# Altium PCB CB3-ECB_PCB.PcbDoc (part 3 of 4) (continued)
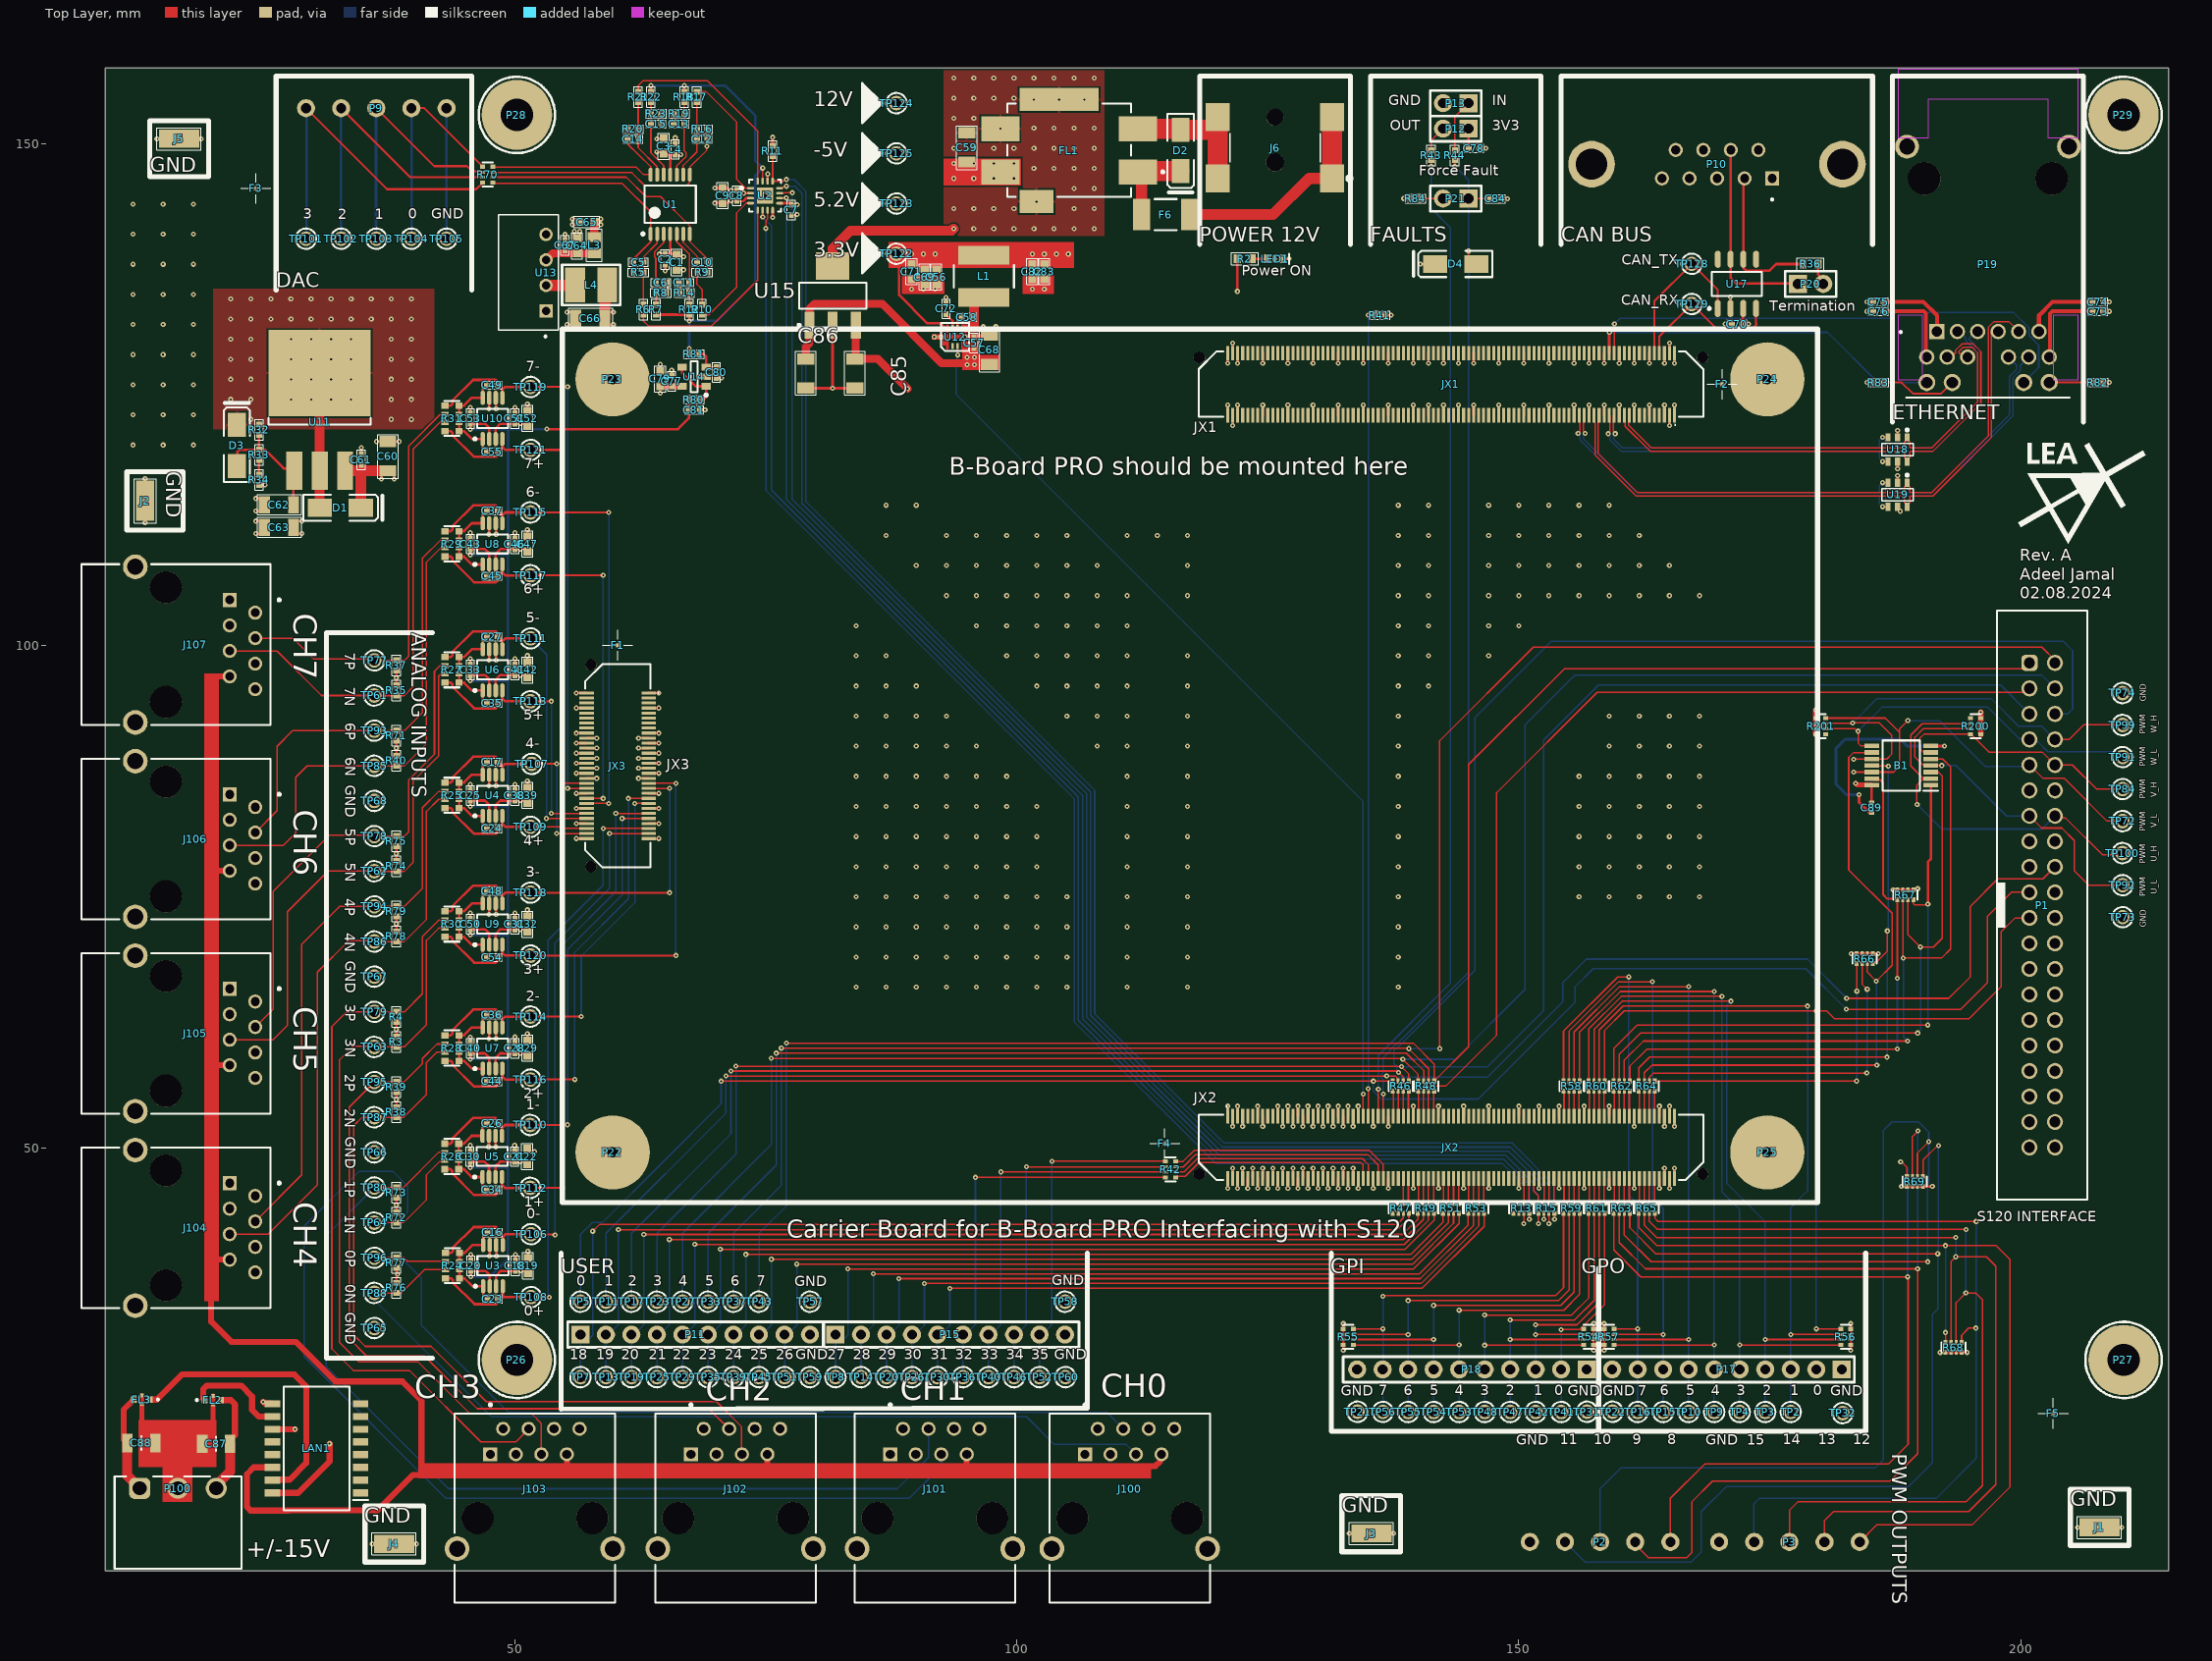
[diagram p0: Top Layer view]
## Nets (pads, with @x,y where several pads share a name; then routed paths per layer and width w, separated by ;. In a path a pad name is that pad's centre, name@x,y a point inside that pad or via, vN(x,y) a via of type N, cw(c..) or ccw(c..) an arc to the next point about the centre after c; other vN are vias at no path point) (continued)
  other v2: 48.202,39.216 48.129,50.094 48.154,60.889 48.154,73.233 48.154,86.06 48.154,98.557 48.154,111.104 122.005,123.972 132.005,123.972 145.505,123.972 155.505,123.972 165.505,123.972 122.005,128.138 132.005,128.138 145.505,128.138 155.505,128.138 165.505,128.138
  other v4: 74.947,144.834
GPI0: JX2.105 R61.5 | length 2.5
  Top Layer w0.152: R61.5@158.505,44.47 JX2.105@158.505,46.96
GPI1: JX2.106 R61.6 | length 2.5
  Top Layer w0.152: R61.6@158.005,44.47 JX2.106@158.005,46.96
GPI2: JX2.107 R61.7 | length 2.5
  Top Layer w0.152: R61.7@157.505,44.47 JX2.107@157.505,46.96
GPI3: JX2.108 R61.8 | length 2.5
  Top Layer w0.152: R61.8@157.005,44.47 JX2.108@157.005,46.96
GPI4: JX2.110 R59.5 | length 2.5
  Top Layer w0.152: R59.5@156.005,44.47 JX2.110@156.005,46.96
GPI5: JX2.111 R59.6 | length 2.5
  Top Layer w0.152: R59.6@155.505,44.47 JX2.111@155.505,46.96
GPI6: JX2.112 R59.7 | length 2.5
  Top Layer w0.152: R59.7@155.005,44.47 JX2.112@155.005,46.96
GPI7: JX2.113 R59.8 | length 2.5
  Top Layer w0.152: R59.8@154.505,44.47 JX2.113@154.505,46.96
GPI-0: P18.2 R54.1 R61.4 TP41.1 | length 22.7
  Top Layer w0.152: v2(154.222,31.893) 156.051,31.893 158.555,34.398 R61.4@158.555,43.47
  Bottom Layer w0.152: TP41.1@154.222,23.686 P18.2@154.222,27.931 v2(154.222,31.893) v2@154.222,31.97
GPI-1: P18.3 R54.2 R61.3 TP42.1 | length 29.6
  Top Layer w0.152: v2@151.657,32.38 v2(151.682,32.38) 155.792,32.38 158.005,34.593 R61.3@158.005,43.47 ; v2@151.683,31.41 R54.2@156.461,31.41
  Bottom Layer w0.152: TP42.1@151.682,23.686 P18.3@151.682,27.931 v2(151.682,31.411) v2(151.682,32.38)
GPI-2: P18.4 R54.3 R61.2 TP47.1 | length 34.3
  Top Layer w0.152: v2(149.142,30.903) 149.15,30.91 R54.3@156.461,30.91 ; v2(149.142,32.862) 155.568,32.862 157.505,34.8 R61.2@157.505,43.47
  Bottom Layer w0.152: TP47.1@149.142,23.686 P18.4@149.142,27.931 v2(149.142,30.903) v2@149.142,32.786
GPI-3: P18.5 R54.4 R61.1 TP48.1 | length 39
  Top Layer w0.152: v2(146.602,30.344) 146.619,30.36 R54.4@156.461,30.36 ; v2@146.628,33.345 155.272,33.345 156.955,35.028 R61.1@156.955,43.47
  Bottom Layer w0.152: TP48.1@146.602,23.686 P18.5@146.602,27.931 v2(146.602,30.344) v2(146.602,33.345)
GPI-4: P18.6 R55.1 R59.4 TP53.1 | length 41.4
  Top Layer w0.152: R55.1@133.521,30.36 144.053,30.36 v2(144.062,30.369) ; v2(144.062,33.827) 154.482,33.827 156.055,35.401 R59.4@156.055,43.47
  Bottom Layer w0.152: TP53.1@144.062,23.686 P18.6@144.062,27.931 v2(144.062,30.369) v2(144.062,33.827)
GPI-5: P18.7 R55.2 R59.3 TP54.1 | length 41
  Top Layer w0.152: R55.2@133.521,30.91 141.515,30.91 v2(141.522,30.903) ; v2(141.522,34.31) 154.187,34.31 155.505,35.628 R59.3@155.505,43.47
  Bottom Layer w0.152: TP54.1@141.522,23.686 P18.7@141.522,27.931 v2(141.522,30.903) v2(141.522,34.31)
GPI-6: P18.8 R55.3 R59.2 TP55.1 | length 40.7
  Top Layer w0.152: R55.3@133.521,31.41 v2(138.982,31.41) ; v2(138.982,34.793) 153.962,34.793 155.005,35.836 R59.2@155.005,43.47
  Bottom Layer w0.152: TP55.1@138.982,23.686 P18.8@138.982,27.931 138.982,31.425 v2(138.982,34.793)
GPI-7: P18.9 R55.4 R59.1 TP56.1 | length 40.2
  Top Layer w0.152: R55.4@133.521,31.96 136.459,31.96 v2(136.468,31.97) ; v2@136.442,35.275 152.465,35.275 153.667,35.275 154.455,36.063 R59.1@154.455,43.47
  Bottom Layer w0.152: TP56.1@136.442,23.686 136.474,23.717 136.474,27.931 136.474,31.97 v2(136.474,35.199)
GPO0: JX2.76 R60.4 | length 2.5
  Top Layer w0.152: JX2.76@158.505,53.15 R60.4@158.505,55.646
GPO1: JX2.75 R60.3 | length 2.5
  Top Layer w0.152: JX2.75@158.005,53.15 R60.3@158.005,55.646
GPO2: JX2.74 R60.2 | length 2.5
  Top Layer w0.152: JX2.74@157.505,53.15 R60.2@157.505,55.646
GPO3: JX2.73 R60.1 | length 2.5
  Top Layer w0.152: JX2.73@157.005,53.15 R60.1@157.005,55.646
GPO4: JX2.71 R58.4 | length 2.5
  Top Layer w0.152: JX2.71@156.005,53.15 R58.4@156.005,55.646
GPO5: JX2.70 R58.3 | length 2.5
  Top Layer w0.152: JX2.70@155.505,53.15 R58.3@155.505,55.646
GPO6: JX2.69 R58.2 | length 2.5
  Top Layer w0.152: JX2.69@155.005,53.15 R58.2@155.005,55.646
GPO7: JX2.68 R58.1 | length 2.5
  Top Layer w0.152: JX2.68@154.505,53.15 R58.1@154.505,55.646
GPO-1: P17.3 R56.2 R60.6 TP2.1 | length 72.9
  Top Layer w0.152: R60.6@158.005,56.646 158.005,61.727 160.404,64.126 v2(178.759,64.126) ; v2@177.083,31.41 R56.2@182.061,31.41
  Bottom Layer w0.152: TP2.1@177.078,23.689 177.078,27.931 177.078,31.411 177.078,44.031 178.759,45.711 v2(178.759,64.126)
  other v2: 177.082,31.411
GPO-2: P17.4 R56.3 R60.7 TP3.1 | length 70.1
  Top Layer w0.152: R60.7@157.505,56.646 157.505,61.802 160.312,64.609 v2(171.113,64.609) ; v2(174.538,30.91) R56.3@182.061,30.91
  Bottom Layer w0.152: v2(171.113,64.609) 170.725,64.22 170.725,46.455 174.538,42.642 v2(174.538,30.91) 174.538,27.931 TP3.1@174.538,23.689
GPO-3: P17.5 R56.4 R60.8 TP4.1 | length 72
  Top Layer w0.152: R60.8@156.955,56.646 156.955,61.827 160.22,65.091 v2(170.224,65.091) ; v2(172.002,30.369) 172.011,30.36 R56.4@182.061,30.36
  Bottom Layer w0.152: v2(170.224,65.091) 170.224,45.635 171.998,43.861 171.998,30.369 171.998,27.931 TP4.1@171.998,23.689
GPO-4: P17.6 R57.1 R58.5 TP9.1 | length 71.8
  Top Layer w0.152: R58.5@156.055,56.646 156.055,61.502 160.128,65.574 v2(169.462,65.574) ; R57.1@159.493,30.36 169.453,30.36 v2(169.462,30.369)
  Bottom Layer w0.152: TP9.1@169.458,23.689 169.458,30.369 169.458,62.352 169.458,65.57 v2(169.462,65.574)
GPO-5: P17.7 R57.2 R58.6 TP10.1 | length 68
  Top Layer w0.152: R58.6@155.505,56.646 155.505,61.526 160.036,66.056 v2(166.922,66.056) ; R57.2@159.493,30.91 166.915,30.91 v2(166.922,30.903)
  Bottom Layer w0.152: TP10.1@166.918,23.689 166.918,30.903 166.918,62.758 166.918,66.052 v2(166.922,66.056)
GPO-6: P17.8 R57.3 R58.7 TP15.1 | length 63.3
  Top Layer w0.152: R58.7@155.005,56.646 155.005,61.601 159.943,66.539 v2(163.316,66.539) ; R57.3@159.493,31.41 v2(164.382,31.411)
  Bottom Layer w0.152: v2@163.316,66.361 163.316,45.051 164.378,43.988 TP15.1@164.378,23.689
GPO-7: P17.9 R57.4 R58.8 TP16.1 | length 59.8
  Top Layer w0.152: R58.8@154.455,56.646 154.455,61.626 159.851,67.022 v2(160.953,67.022) ; R57.4@159.493,31.96 161.833,31.96 v2(161.842,31.97)
  Bottom Layer w0.152: v2(160.953,67.022) 160.953,45.279 161.838,44.394 161.838,31.97 161.838,27.931 TP16.1@161.838,23.689
MB_nFLT: C84.2 D4.A JX2.32 P21.1 R44.1 | length 103
  Top Layer w0.152: JX2.32@136.505,53.15 v2(136.505,55.345) ; v2@143.634,147.863 R44.1@143.634,148.371 ; 144.995,138.95 v1(144.995,139.325) ; P21.1@144.995,144.55 147.125,144.55 C84.2@147.15,144.525 ; D4.A@145.025,138.775 D4.A@145.775,138.025
  Bottom Layer w0.152: v2(136.505,55.345) 136.505,56.802 136.355,56.953 136.355,57.352 136.505,57.503 136.505,58.99 137.245,59.73 137.245,59.848 137.603,60.205 137.72,60.205 144.995,67.48 v1(144.995,139.325) P21.1@144.995,144.55 144.995,146.404 v2(143.634,147.765)
MB_RDY: JX2.29 R41.2 | length 80.4
  Top Layer w0.152: JX2.29@135.005,53.15 v2(135.005,55.9)
  Top Layer w0.254: v2@135.059,132.925 R41.2@135.675,132.925
  Bottom Layer w0.152: v2@135.016,55.911 v2(135.016,132.925)
NetC5_1: C5.1 R5.1 R6.1 U1.2 | length 8.5
  Top Layer w0.152: R6.1@62.837,133.982 62.837,135.167 62.837,136.183 ; 62.837,135.294 62.846,138.751 64.196,140.101 U1.2@64.196,141.026
NetC6_2: C6.2 R7.1 R8.2 U1.3 | length 7.5
  Top Layer w0.152: C6.2@64.065,136.183 64.065,138.61 63.942,138.733 63.942,139.25 64.846,140.154 U1.3@64.846,141.026 ; R7.1@64.091,133.982 R8.2@64.091,135.167 C6.2@64.091,136.183
NetC10_1: C10.1 R9.1 R10.1 U1.6 | length 7.8
  Top Layer w0.152: U1.6@66.796,141.026 66.796,140.175 68.163,138.808 C10.1@68.163,138.215 68.163,136.014 68.671,135.506 R10.1@68.671,133.982
NetC11_2: C11.2 R12.1 R14.2 U1.5 | length 7.9
  Top Layer w0.152: U1.5@66.146,141.026 66.146,140.25 67.401,138.996 C11.2@67.401,136.183 ; C11.2@67.177,136.357 67.351,136.183 C11.2@67.401,136.183 ; R12.1@67.401,133.982 R14.2@67.401,135.167 C11.2@67.401,136.183
NetC12_1: C12.1 R16.1 R17.1 U1.9 | length 8.8
  Top Layer w0.152: U1.9@66.796,146.926 66.796,147.851 68.141,149.195 68.141,152.423 68.141,152.804 ; 68.141,151.788 68.141,151.982 68.141,152.998 R17.1@68.141,154.183
NetC13_2: C13.2 R18.1 R19.2 U1.10 | length 7.7
  Top Layer w0.152: U1.10@66.146,146.926 66.146,147.796 67.05,148.7 67.05,149.135 66.897,149.289 C13.2@66.897,151.982 ; C13.2@66.887,151.982 66.887,152.423 66.887,152.55 R19.2@66.887,152.998 R18.1@66.887,154.183
NetC14_1: C14.1 R20.1 R21.1 U1.13 | length 8
  Top Layer w0.152: R21.1@62.307,154.183 C14.1@62.307,150.458 62.307,149.618 64.196,147.728 U1.13@64.196,146.926
NetC15_2: C15.2 R22.1 R23.2 U1.12 | length 7.8
  Top Layer w0.152: R22.1@63.577,154.183 R23.2@63.577,152.998 C15.2@63.577,151.982 63.577,149.098 64.846,147.829 U1.12@64.846,146.926
NetC16_1: C16.1 R24.7 R24.8 U3.8 | length 5
  Top Layer w0.254: R24.7@44.514,38.666 R24.8@44.514,39.536 45.017,39.536 45.797,40.316 U3.8@46.87,40.316 46.87,41.146 C16.1@47.297,41.573
NetC17_1: C17.1 R25.7 R25.8 U4.8 | length 5
  Top Layer w0.254: R25.7@44.466,85.51 R25.8@44.466,86.38 44.969,86.38 45.749,87.16 U4.8@46.822,87.16 46.822,87.99 C17.1@47.249,88.417
NetC23_1: C23.1 R24.5 R24.6 U3.1 | length 5
  Top Layer w0.254: R24.6@44.514,37.866 R24.5@44.514,36.996 45.017,36.996 45.797,36.216 U3.1@46.87,36.216 46.87,35.386 C23.1@47.297,34.959
NetC24_1: C24.1 R25.5 R25.6 U4.1 | length 5
  Top Layer w0.254: R25.6@44.466,84.71 R25.5@44.466,83.84 44.969,83.84 45.749,83.06 U4.1@46.822,83.06 46.822,82.23 C24.1@47.249,81.803
NetC26_1: C26.1 R26.7 R26.8 U5.8 | length 5
  Top Layer w0.254: R26.7@44.441,49.544 44.441,50.414 44.944,50.414 45.724,51.194 U5.8@46.797,51.194 46.797,52.024 C26.1@47.224,52.451
NetC27_1: C27.1 R27.7 R27.8 U6.8 | length 5
  Top Layer w0.254: R27.7@44.466,98.007 R27.8@44.466,98.877 44.969,98.877 45.749,99.657 U6.8@46.822,99.657 46.822,100.487 C27.1@47.249,100.914
NetC34_1: C34.1 R26.5 R26.6 U5.1 | length 5
  Top Layer w0.254: R26.6@44.441,48.744 44.441,47.874 44.944,47.874 45.724,47.094 U5.1@46.797,47.094 46.797,46.264 C34.1@47.224,45.837
NetC35_1: C35.1 R27.5 R27.6 U6.1 | length 5
  Top Layer w0.254: R27.6@44.466,97.207 R27.5@44.466,96.337 44.969,96.337 45.749,95.557 U6.1@46.822,95.557 46.822,94.727 C35.1@47.249,94.3
NetC36_1: C36.1 R28.7 R28.8 U7.8 | length 5
  Top Layer w0.254: R28.7@44.466,60.339 R28.8@44.466,61.209 44.969,61.209 45.749,61.989 U7.8@46.822,61.989 46.822,62.819 C36.1@47.249,63.245
NetC37_1: C37.1 R29.7 R29.8 U8.8 | length 5
  Top Layer w0.254: R29.7@44.466,110.554 R29.8@44.466,111.424 44.969,111.424 45.749,112.204 U8.8@46.822,112.204 46.822,113.035 C37.1@47.249,113.461
NetC44_1: C44.1 R28.5 R28.6 U7.1 | length 5
  Top Layer w0.254: R28.6@44.466,59.539 R28.5@44.466,58.669 44.969,58.669 45.749,57.889 U7.1@46.822,57.889 46.822,57.058 C44.1@47.249,56.632
NetC45_1: C45.1 R29.5 R29.6 U8.1 | length 5
  Top Layer w0.254: R29.6@44.466,109.754 R29.5@44.466,108.884 44.969,108.884 45.749,108.104 U8.1@46.822,108.104 46.822,107.274 C45.1@47.249,106.847
NetC48_1: C48.1 R30.7 R30.8 U9.8 | length 5
  Top Layer w0.254: R30.7@44.466,72.683 R30.8@44.466,73.553 44.969,73.553 45.749,74.333 U9.8@46.822,74.333 46.822,75.163 C48.1@47.249,75.59
NetC49_1: C49.1 R31.7 R31.8 U10.8 | length 5
  Top Layer w0.254: R31.7@44.466,123.051 R31.8@44.466,123.921 44.969,123.921 45.749,124.701 U10.8@46.822,124.701 46.822,125.531 C49.1@47.249,125.958
NetC54_1: C54.1 R30.5 R30.6 U9.1 | length 5
  Top Layer w0.254: R30.6@44.466,71.883 R30.5@44.466,71.013 44.969,71.013 45.749,70.233 U9.1@46.822,70.233 46.822,69.403 C54.1@47.249,68.976
NetC55_1: C55.1 R31.5 R31.6 U10.1 | length 5
  Top Layer w0.254: R31.6@44.466,122.251 R31.5@44.466,121.381 44.969,121.381 45.749,120.601 U10.1@46.822,120.601 46.822,119.771 C55.1@47.249,119.344
NetC58_1: C58.1 L1.1 U12.5
NetC58_2: C58.2 U12.6 | length 1.3
  Top Layer w0.25: U12.6@94.1,131.66 94.1,132.36 94.475,132.735 C58.2@94.525,132.735
NetC62_2: C62.2 D3.A R32.1 R33.2 U11.1 | length 12.9
  Top Layer w0.254: D3.A@22.35,117.925 22.375,117.95 22.375,119.275 22.625,119.525 R33.2@24.55,119.525 ; R32.1@24.55,121.025 R33.2@24.55,119.525 ; C62.2@27.975,114.05 27.975,117.38 U11.1@28.045,117.45 27.833,117.662 27.013,117.662 25.15,119.525 R33.2@24.55,119.525
NetC64_1: C64.1 C67.1 L3.1 U13.3 | length 5.1
  Top Layer w0.8: U13.3@53.124,138.434 53.79,139.1 C64.1@56.225,139.1 L3.1@57.925,139.1
NetC72_2: C72.2 U12.7 | length 1.6
  Top Layer w0.25: C72.2@92.975,133.05 92.975,133 93.6,132.375 U12.7@93.6,131.66
NetC73_2: C73.2 P19.12 | length 8.7
  Top Layer w0.4: P19.12@202.821,128.77 202.919,128.868 202.919,133.101 203.132,133.313 C73.2@207.15,133.313
NetC74_2: C74.2 P19.6 | length 7.5
  Top Layer w0.4: P19.6@201.805,131.31 201.805,132.911 203.144,134.25 C74.2@207.15,134.25
NetC75_2: C75.2 P19.1 | length 7.5
  Top Layer w0.4: C75.2@186.325,134.25 190.306,134.25 191.645,132.911 P19.1@191.645,131.31
NetC76_2: C76.2 P19.7 | length 8.7
  Top Layer w0.4: C76.2@186.325,133.313 187.663,133.313 ; 187.664,133.313 190.318,133.313 190.524,133.107 190.524,128.875 P19.7@190.629,128.77
NetC80_2: C80.2 R81.2 U14.3 | length 2.9
  Top Layer w0.254: R81.2@68.375,129.05 68.85,129.05 69.075,128.825 U14.3@69.075,127.75 C80.2@70.1,127.75
NetD2_A: D2.A FL1.3 J6.2 J6.3 | length 14.1
  Top Layer w2: FL1.3@112.075,151.5 D2.A@116.225,151.5 ; D2.A@116.325,151.4 119.675,151.4 120.025,151.05 ; J6.3@120.025,146.55 120.025,151.05 ; J6.2@120.025,152.65 120.025,151.05
NetD2_K: D2.K F6.2 FL1.1 | length 8.6
  Top Layer w1.1: FL1.1@112.075,147.2 112.435,146.84 F6.2@112.435,142.95
  Top Layer w2: FL1.1@112.075,147.2 112.14,147.265 D2.K@116.225,147.265
NetF6_1: F6.1 J6.1 | length 21.8
  Top Layer w1.1: F6.1@117.215,142.95 125.525,142.95 129.125,146.55 J6.1@131.425,146.55
  Top Layer w2: J6.1@131.425,146.55 J6.1@131.425,152.65
NetL4_2: L4.2 U13.2 | length 2.9
  Top Layer w1.1: U13.2@53.124,135.894 55.969,135.894 L4.2@56.025,135.95
NetLED1_A: LED1.A R2.1 | length 1.5
  Top Layer w0.254: R2.1@123.475,138.55 LED1.A@124.975,138.55
NetP19_14: P19.14 R83.1 | length 7.8
  Top Layer w0.2: R83.1@186.3,126.23 188.133,126.23 189.242,125.12 190.87,125.12 190.875,125.125 192.064,125.125 P19.14@193.169,126.23
NetP19_16: P19.16 R82.1 | length 4.5
  Top Layer w0.2: P19.16@202.821,126.23 R82.1@207.25,126.23
  Top Layer w0.254: P19.16@202.821,126.23 P19.16@202.846,126.205
NetP20_2: P20.2 R36.2 | length 2.2
  Top Layer w0.254: R36.2@179.805,138.025 179.805,136.995 179.85,136.95 179.85,136.943 180.325,136.468 P20.2@180.325,136.05
NetP21_2: P21.2 R84.2 | length 2.2
  Top Layer w0.152: R84.2@140.225,144.55 P21.2@142.455,144.55
NetR6_2: R6.2 U2.5 | length 21.1
  Top Layer w0.152: R6.2@62.837,132.982 62.837,132.338 63.325,131.85 69.625,131.85 74.197,136.422 U2.5@74.197,143.384
NetR10_2: R10.2 U2.4 | length 13.8
  Top Layer w0.152: R10.2@68.671,132.982 69.357,132.982 72.125,135.75 72.125,143.15 73.059,144.084 U2.4@73.497,144.084
NetR11_1: R11.1 R15.8 U2.13 | length 156.7
  Top Layer w0.152: R11.1@75.697,148.55 U2.13@75.697,146.284 76.813,146.284 76.979,146.45 v1(77.075,146.45) ; v2(153.555,42.9) R15.8@153.555,43.47
  Bottom Layer w0.152: v1(77.075,146.45) 77.819,146.45 79.014,145.255 79.014,114.361 107.769,85.606 107.769,63.351 120.638,50.482 149.314,50.482 153.523,46.273 153.523,42.932 v2(153.555,42.9)
NetR13_7: R13.7 U2.7 | length 150
  Top Layer w0.152: v1(75.025,141.575) 75.025,142.343 75.197,142.515 U2.7@75.197,143.384 ; v2(150.505,42.45) R13.7@150.505,43.47
  Bottom Layer w0.152: v1(75.025,141.575) 75.025,115.476 105.725,84.776 105.725,62.55 119.825,48.45 148.339,48.45 150.505,46.284 v2(150.505,42.45)
NetR13_8: R13.8 U2.6 | length 149.4
  Top Layer w0.152: U2.6@74.697,143.384 74.699,143.383 74.699,142.701 v1(74.7,142.7) ; v2(151.055,42.9) R13.8@151.055,43.47
  Bottom Layer w0.152: v1(74.7,142.7) 75.575,141.825 75.575,115.501 106.131,84.945 106.131,62.713 119.988,48.856 148.508,48.856 151.055,46.309 v2(151.055,42.9)
NetR15_5: R15.5 U2.10 | length 151.6
  Top Layer w0.152: U2.10@76.397,144.584 77.009,144.584 v1(77.05,144.625) ; v2(151.955,42.45) R15.5@151.955,43.47
  Bottom Layer w0.152: v1(77.05,144.625) 77.05,114.601 106.55,85.101 106.55,62.863 120.15,49.263 148.676,49.263 151.461,46.478 151.461,45.82 151.955,45.327 v2(151.955,42.45)
NetR15_6: R15.6 U2.11 | length 151.9
  Top Layer w0.152: U2.11@76.397,145.084 76.416,145.103 76.845,145.103 76.868,145.125 v1(77.65,145.125) ; v2(152.505,42.9) R15.6@152.505,43.47
  Bottom Layer w0.152: v1(77.65,145.125) 77.65,144.157 77.642,144.15 77.642,142.75 77.65,142.743 77.65,114.576 106.956,85.269 106.956,63.026 120.313,49.669 148.977,49.669 152.505,46.141 v2(152.505,42.9)
NetR15_7: R15.7 U2.12 | length 153.8
  Top Layer w0.152: U2.12@76.397,145.584 76.649,145.584 76.772,145.707 77.007,145.707 v1(77.075,145.775) ; v2(153.005,42.45) R15.7@153.005,43.47
  Bottom Layer w0.152: v1(77.075,145.775) 77.925,145.775 78.608,145.092 78.608,114.193 107.363,85.438 107.363,63.189 120.476,50.076 149.146,50.076 153.005,46.216 v2(153.005,42.45)
NetR17_2: R17.2 U2.1 | length 12.7
  Top Layer w0.152: R17.2@68.141,155.183 69.092,155.183 72.125,152.15 72.125,146.45 72.991,145.584 U2.1@73.497,145.584
NetR21_2: R21.2 U2.16 | length 19.8
  Top Layer w0.152: R21.2@62.307,155.183 62.307,155.793 62.797,156.283 69.192,156.283 74.197,151.278 U2.16@74.197,146.284
NetR33_1: R33.1 R34.2 | length 1.5
  Top Layer w0.254: R34.2@24.55,117.025 R33.1@24.55,118.525
NetR80_1: R80.1 U14.1 U14.4 | length 5.4
  Top Layer w0.254: U14.4@66.675,127.75 66.675,127.2 68.025,125.85 U14.1@69.075,125.85 69.075,124.775 68.825,124.525 R80.1@68.375,124.525
nFLT_IN: P13.1 R44.2 | length 5.2
  Top Layer w0.152: R44.2@143.634,149.371 143.634,152.689 P13.1@144.995,154.05
nFLT_OUT: P12.2 R43.2 | length 2.6
  Top Layer w0.152: R43.2@141.276,149.371 141.276,150.331 P12.2@142.455,151.51
PHY_LED0: JX1.167 P19.13 | length 35.8
  Top Layer w0.254: JX1.167@159.005,129.15 159.005,131.205 v1(159.025,131.225)
  Bottom Layer w0.152: v1(159.025,131.225) 180.75,131.225 185.77,126.205 190.604,126.205 P19.13@190.629,126.23
PHY_LED1: JX1.168 P19.15 | length 51.8
  Top Layer w0.152: JX1.168@159.505,129.15 159.525,129.17 v1(159.525,132.05)
  Bottom Layer w0.152: v1(159.525,132.05) 160.095,132.62 186.97,132.62 187.54,133.19 199.294,133.19 200.814,131.67 200.814,130.9 201.78,129.934 201.78,127.729 P19.15@200.281,126.23
PHY_MDI0_N: JX1.19 P19.10 U19.3 | length 58.8
  Top Layer w0.15: JX1.19@156.505,122.96 156.428,122.882 156.428,122.231 156.42,122.223 156.42,121.367 156.557,121.231 v1@156.557,121.15 ; v2(186.225,116.25) U19.3@186.775,116.25
  Bottom Layer w0.15: v1@156.557,121.15 156.557,121.069 156.42,120.933 156.42,120.646 161.82,115.246 185.799,115.246 185.918,115.366 185.918,115.943 v2(186.225,116.25) 186.548,115.927 186.548,115.334 186.636,115.246 191.096,115.246 198.866,123.016 198.866,126.816 199.608,127.558 199.608,127.919 P19.10@198.757,128.77
  other v1: 156.607,121.15
PHY_MDI0_P: JX1.20 P19.11 U19.4 | length 60.1
  Top Layer w0.15: v1@155.954,121.15 155.954,121.231 156.09,121.367 156.09,122.223 156.083,122.231 156.083,122.882 JX1.20@156.005,122.96 ; v2(186.225,113.85) U19.4@186.775,113.85
  Bottom Layer w0.15: v1@155.954,121.15 155.954,121.069 156.09,120.933 156.09,120.51 161.684,114.916 185.781,114.916 185.9,114.797 185.9,114.175 v2(186.225,113.85) 186.548,114.173 186.548,114.829 186.636,114.916 191.233,114.916 199.196,122.88 199.196,126.679 199.938,127.421 199.938,127.919 P19.11@200.789,128.77
  other v1: 155.904,121.15
PHY_MDI1_N: JX1.16 P19.5 U19.1 | length 62.6
  Top Layer w0.15: JX1.16@158.005,122.96 157.928,122.882 157.928,122.231 157.92,122.223 157.92,119.155 161.829,115.246 186.904,115.246 188.32,115.246 188.408,115.334 188.408,115.837 188.496,115.925 188.5,115.925 188.6,116.025 188.6,116.175 U19.1@188.675,116.25 ; U19.1@188.646,116.129 188.85,115.925 188.858,115.925 188.948,115.835 188.948,115.334 189.036,115.246 191.096,115.246 196.752,120.902 196.752,131.72 197.331,132.299 198.784,132.299 P19.5@199.773,131.31
PHY_MDI1_P: JX1.17 P19.4 U19.6 | length 60.5
  Top Layer w0.15: JX1.17@157.505,122.96 157.583,122.882 157.583,122.231 157.59,122.223 157.59,119.018 161.692,114.916 186.767,114.916 188.328,114.916 188.416,114.829 188.416,114.259 U19.6@188.675,114 ; U19.6@188.675,113.85 U19.6@188.675,114 ; P19.4@197.741,131.31 197.651,131.4 197.105,131.4 197.082,131.377 197.082,120.765 191.233,114.916 189.036,114.916 188.948,114.829 188.948,114.263 188.86,114.175 188.85,114.175 U19.6@188.675,114
PHY_MDI2_N: JX1.13 P19.2 U18.3 | length 51.1
  Top Layer w0.15: JX1.13@159.505,122.96 159.428,122.882 159.428,122.231 159.42,122.223 159.42,121.342 159.557,121.206 v1@159.557,121.125 ; v2(186.225,120.75) U18.3@186.775,120.75
  Bottom Layer w0.15: v1@159.557,121.125 159.557,121.044 159.42,120.908 159.42,120.621 160.327,119.715 185.83,119.715 185.918,119.803 185.918,120.443 v2(186.225,120.75) 186.548,120.427 186.548,119.803 186.636,119.715 191.125,119.715 195.682,124.273 195.682,129.218 194.528,130.372 194.528,130.633 193.851,131.31 P19.2@193.677,131.31
  other v1: 159.607,121.125
PHY_MDI2_P: JX1.14 P19.3 U18.4 | length 52.2
  Top Layer w0.15: v1@158.954,121.125 158.954,121.206 159.09,121.342 159.09,122.223 159.083,122.231 159.083,122.882 JX1.14@159.005,122.96 ; v2(186.225,118.35) U18.4@186.775,118.35
  Bottom Layer w0.15: v1@158.954,121.125 158.954,121.044 159.09,120.908 159.09,120.485 160.19,119.385 185.812,119.385 185.9,119.297 185.9,118.675 v2(186.225,118.35) 186.548,118.673 186.548,119.297 186.636,119.385 191.261,119.385 191.746,119.869 196.012,124.136 196.012,129.355 194.858,130.509 194.858,130.633 195.535,131.31 P19.3@195.709,131.31
  other v1: 158.904,121.125
PHY_MDI3_N: JX1.10 P19.9 U18.1 | length 48.4
  Top Layer w0.15: JX1.10@161.005,122.96 160.928,122.882 160.928,122.231 160.92,122.223 160.92,122.011 163.216,119.715 188.32,119.715 188.408,119.803 188.408,120.337 188.496,120.425 188.5,120.425 188.6,120.525 188.6,120.675 U18.1@188.675,120.75 ; U18.1@188.646,120.629 188.85,120.425 188.858,120.425 188.948,120.335 188.948,119.803 189.036,119.715 190.076,119.715 191.125,119.715 195.68,124.27 195.68,129.179 195.102,129.757 194.281,129.757 193.842,129.318 193.842,129.194 193.93,129.106 193.985,129.106 194.321,128.77 P19.9@194.693,128.77
PHY_MDI3_P: JX1.11 P19.8 U18.6 | length 50.7
  Top Layer w0.15: JX1.11@160.505,122.96 160.583,122.882 160.583,122.231 160.59,122.223 160.59,121.874 163.08,119.385 188.328,119.385 188.416,119.297 188.416,118.759 U18.6@188.675,118.5 ; P19.8@192.661,128.77 193.033,128.77 193.369,129.106 193.424,129.106 193.512,129.194 193.512,129.455 194.144,130.087 195.239,130.087 196.01,129.316 196.01,124.134 191.261,119.385 189.94,119.385 189.036,119.385 188.948,119.297 188.948,118.763 188.86,118.675 188.85,118.675 U18.6@188.675,118.5 ; U18.6@188.675,118.5 U18.6@188.675,118.35 U18.6@188.675,118.5
PRECHARGE: P1.21 R56.1 R60.5 | length 90
  Top Layer w0.152: R60.5@158.555,56.646 158.555,61.703 160.496,63.643 v2(179.622,63.643) 180.657,63.643 181.45,62.85 194.841,62.85 198.05,66.059 198.05,71.525 199.425,72.9 P1.21@200.86,72.9 ; v2(179.622,31.97) 182.052,31.97 R56.1@182.061,31.96
  Bottom Layer w0.152: v2@179.618,31.97 179.618,60.726 179.618,63.639 v2(179.622,63.643)
PWM0: JX2.78 R62.5 | length 2.5
  Top Layer w0.152: JX2.78@159.505,53.15 159.505,55.138 R62.5@159.505,55.646
PWM1: JX2.79 R62.6 | length 2.5
  Top Layer w0.152: JX2.79@160.005,53.15 160.005,55.138 R62.6@160.005,55.646
PWM2: JX2.80 R62.7 | length 2.5
  Top Layer w0.152: JX2.80@160.505,53.15 160.505,55.138 R62.7@160.505,55.646
PWM3: JX2.81 R62.8 | length 2.5
  Top Layer w0.152: JX2.81@161.005,53.15 161.005,55.138 R62.8@161.005,55.646
PWM4: JX2.83 R64.5 | length 2.5
  Top Layer w0.152: JX2.83@162.005,53.15 162.005,55.138 R64.5@162.005,55.646
PWM5: JX2.84 R64.6 | length 2.5
  Top Layer w0.152: JX2.84@162.505,53.15 162.505,55.138 R64.6@162.505,55.646
PWM6: JX2.85 R64.7 | length 2.5
  Top Layer w0.152: JX2.85@163.005,53.15 163.005,55.138 R64.7@163.005,55.646
PWM7: JX2.86 R64.8 | length 2.5
  Top Layer w0.152: JX2.86@163.505,53.15 163.505,55.138 R64.8@163.505,55.646
PWM8: JX2.103 R63.8 | length 2.5
  Top Layer w0.152: R63.8@159.505,44.47 JX2.103@159.505,46.96
PWM9: JX2.102 R63.7 | length 2.5
  Top Layer w0.152: R63.7@160.005,44.47 JX2.102@160.005,46.96
PWM10: JX2.101 R63.6 | length 2.5
  Top Layer w0.152: R63.6@160.505,44.47 JX2.101@160.505,46.96
PWM11: JX2.100 R63.5 | length 2.5
  Top Layer w0.152: R63.5@161.005,44.47 JX2.100@161.005,46.96
PWM12: JX2.98 R65.8 | length 2.5
  Top Layer w0.152: R65.8@162.005,44.47 JX2.98@162.005,46.96
PWM13: JX2.97 R65.7 | length 2.5
  Top Layer w0.152: R65.7@162.505,44.47 JX2.97@162.505,46.96
PWM14: JX2.96 R65.6 | length 2.5
  Top Layer w0.152: R65.6@163.005,44.47 JX2.96@163.005,46.96
PWM15: JX2.95 R65.5 | length 2.5
  Top Layer w0.152: R65.5@163.505,44.47 JX2.95@163.505,46.96
PWM-0: B1.1 R62.4 R67.4 | length 61.4
  Top Layer w0.152: R62.4@159.455,56.646 159.455,59.91 161.777,62.232 v2(190.744,62.232) ; R67.4@189.3,74.7 189.3,74.305 189.389,74.216 190.691,74.216 v2(190.75,74.275)
  Top Layer w0.25: v2(190.75,74.275) 190.75,78.472 191.038,78.76 B1.1@191.038,86.125
  Bottom Layer w0.152: v2(190.744,62.232) 190.747,62.235 190.747,74.272 v2(190.75,74.275)